# Altium PCB IDC_MCX_Adapter_flex.PCBDOC (part 1 of 4)
Units mm, origin at the board's own origin, x right, y up, seen from the top; angles counter-clockwise.
Board outline 170.6 x 106.1 mm, 4 copper layers (L1, L2, L3, L4), stack 1.598 mm thick; 298 components, 203 nets, 907 pads, 346 vias.
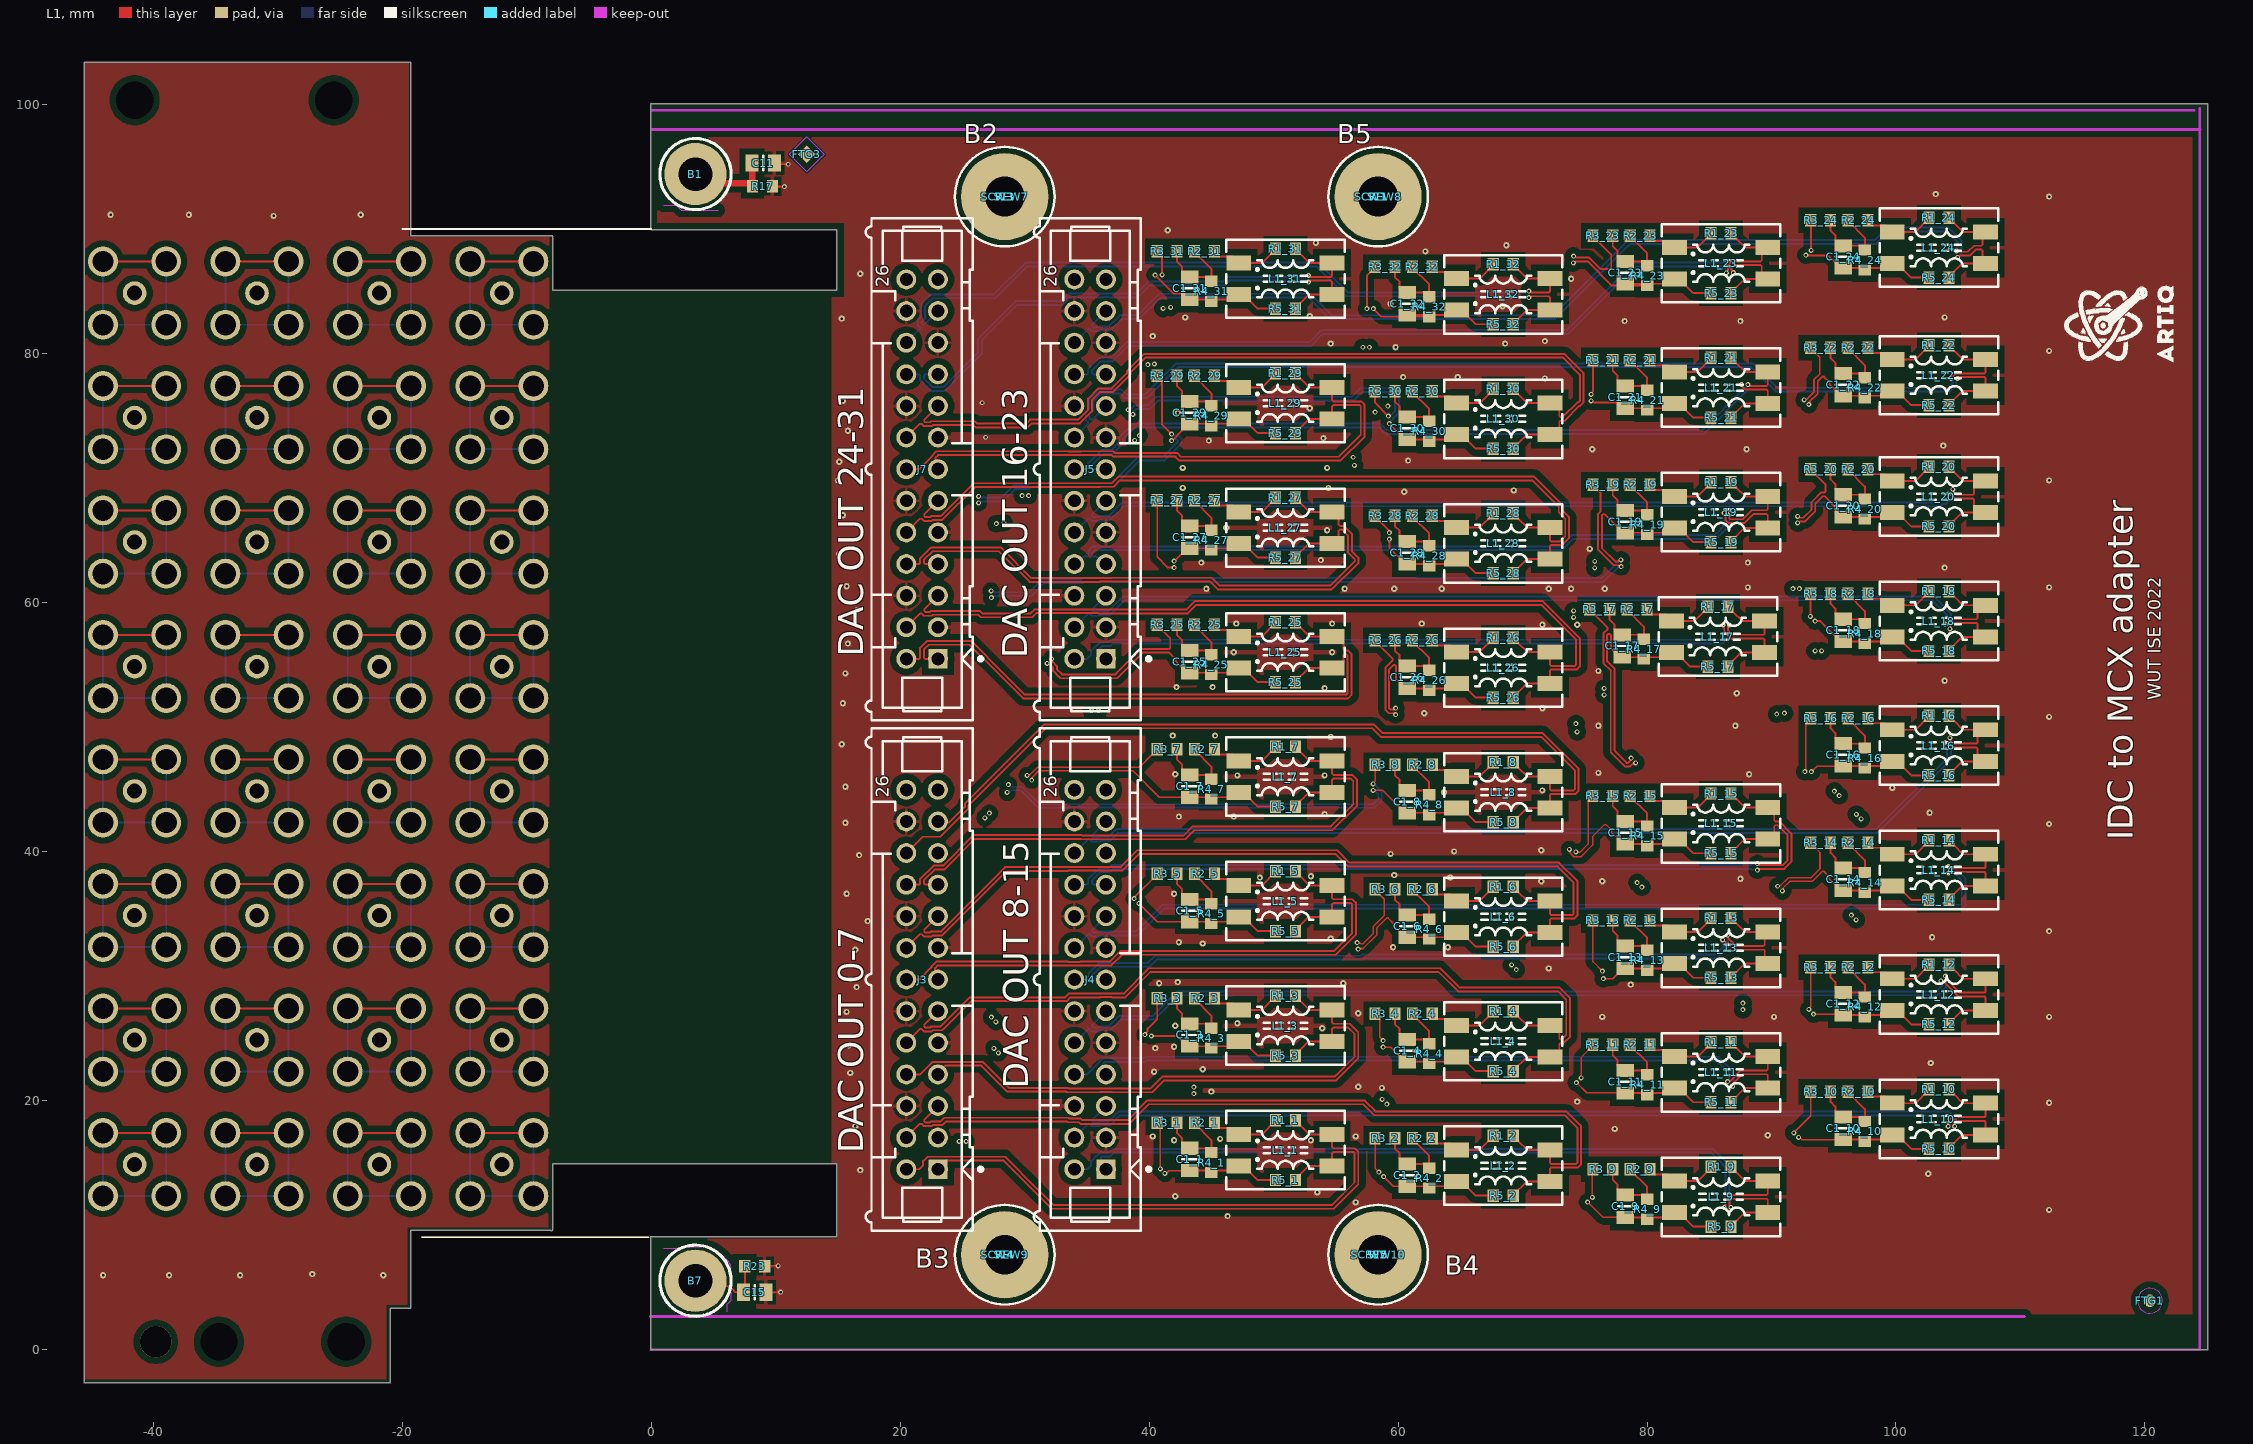
[diagram p0: L1 view]
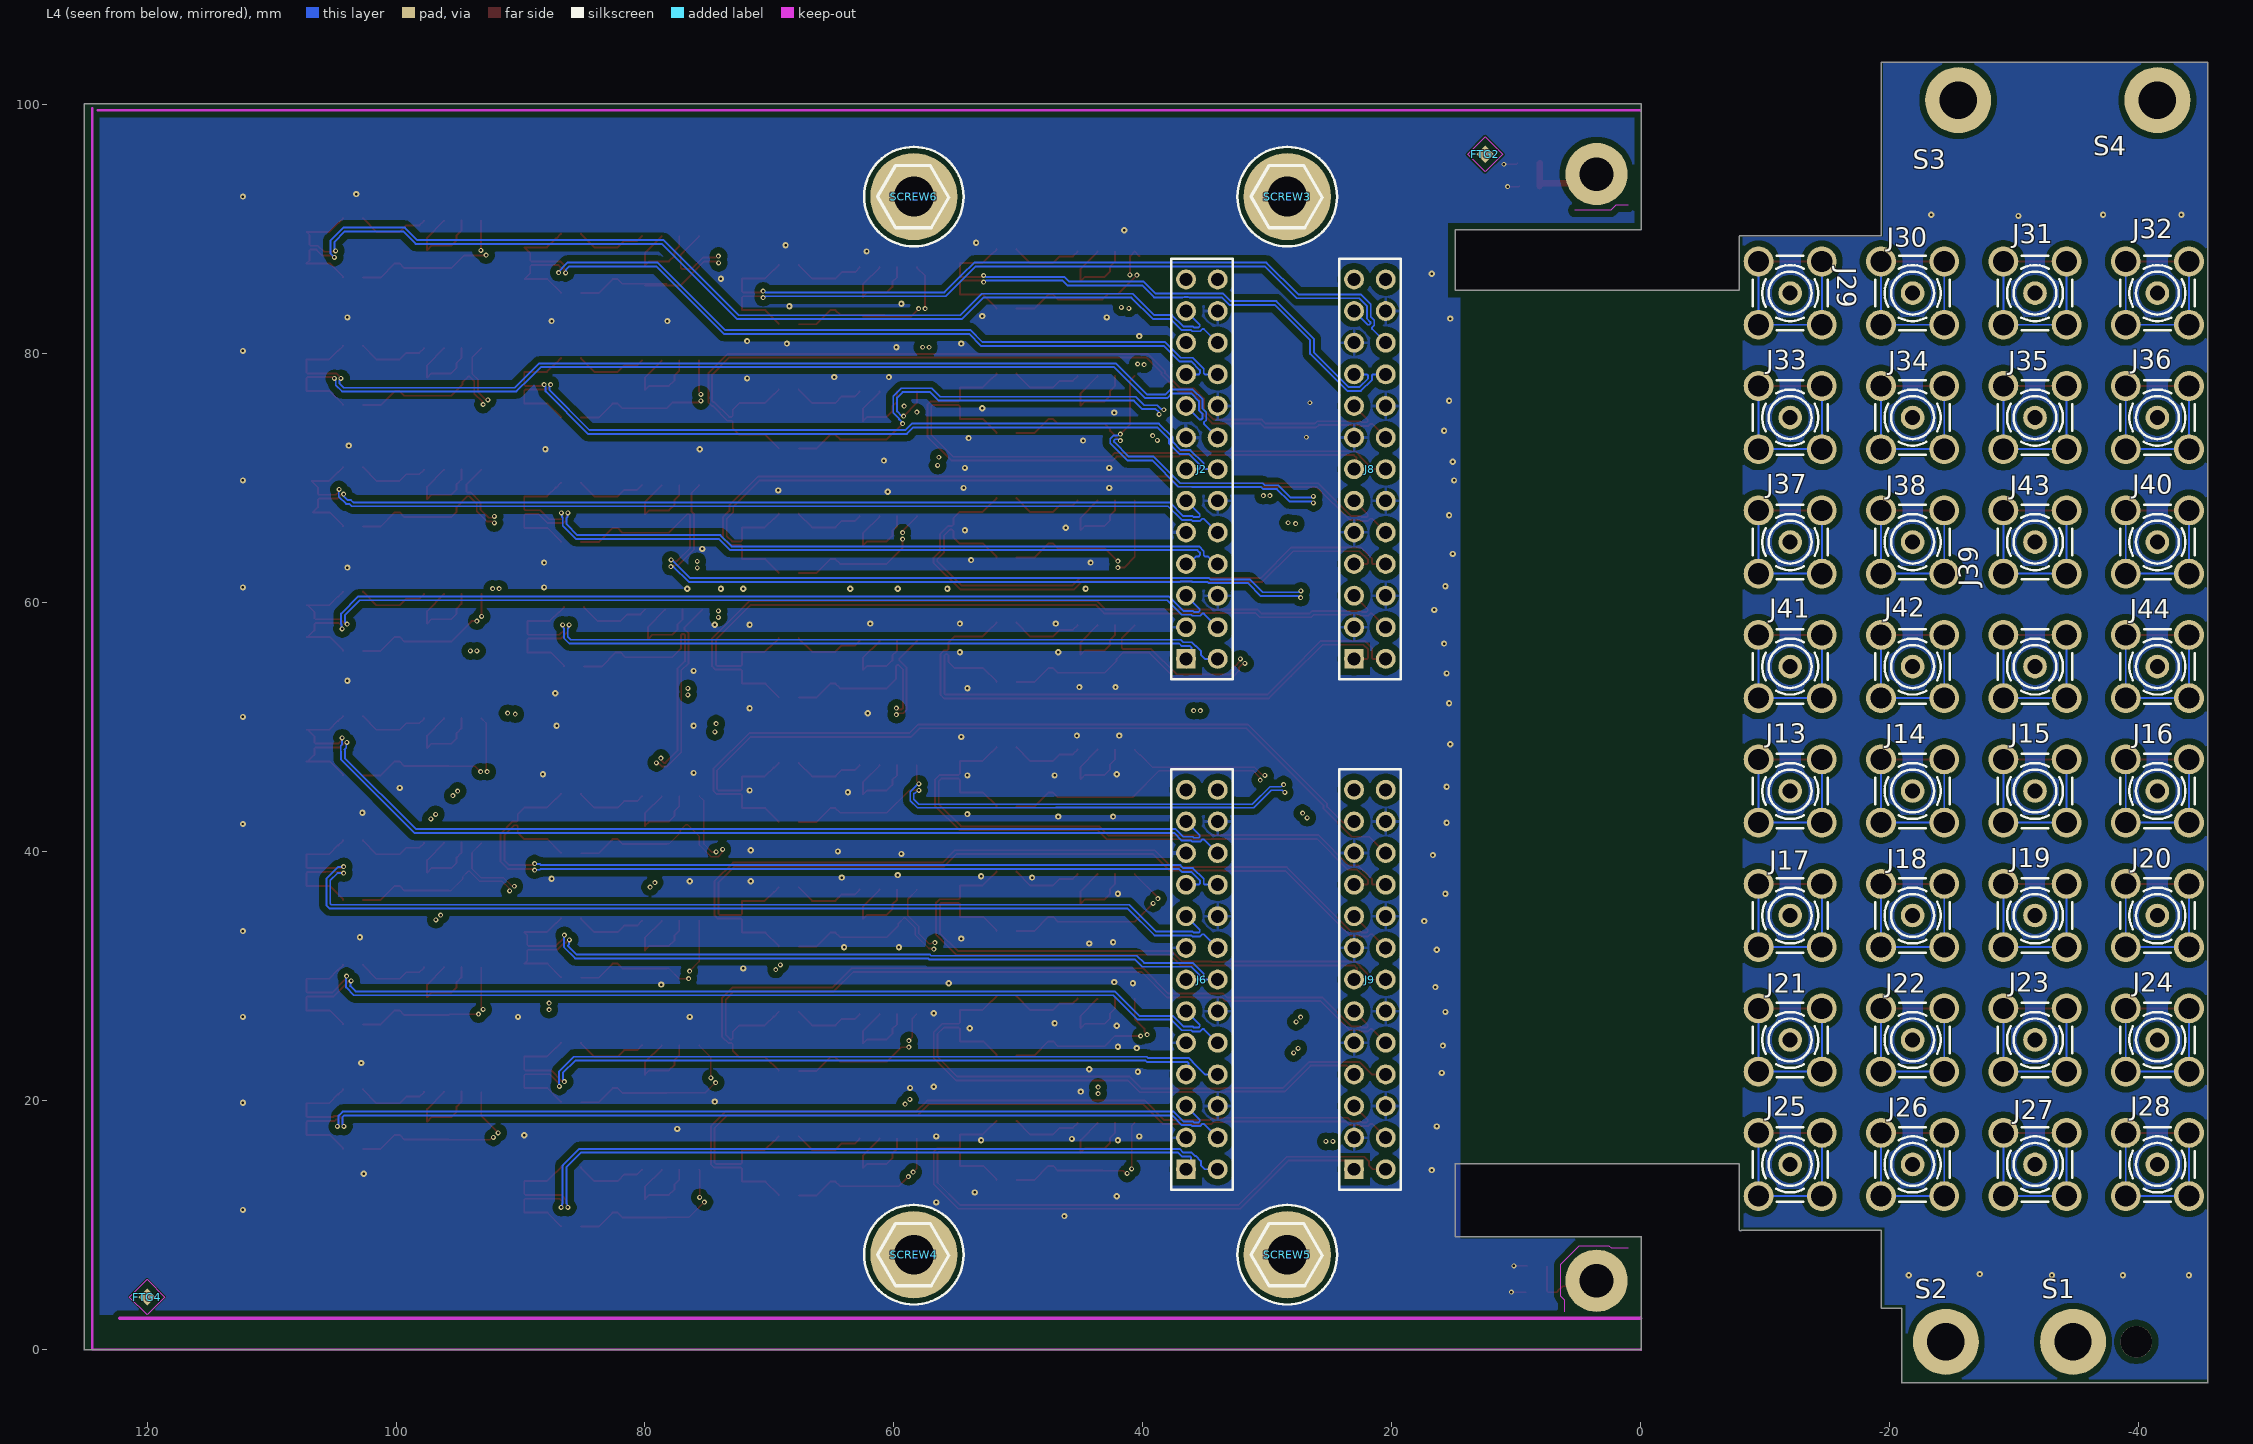
[diagram p1: L4 view, seen from below]
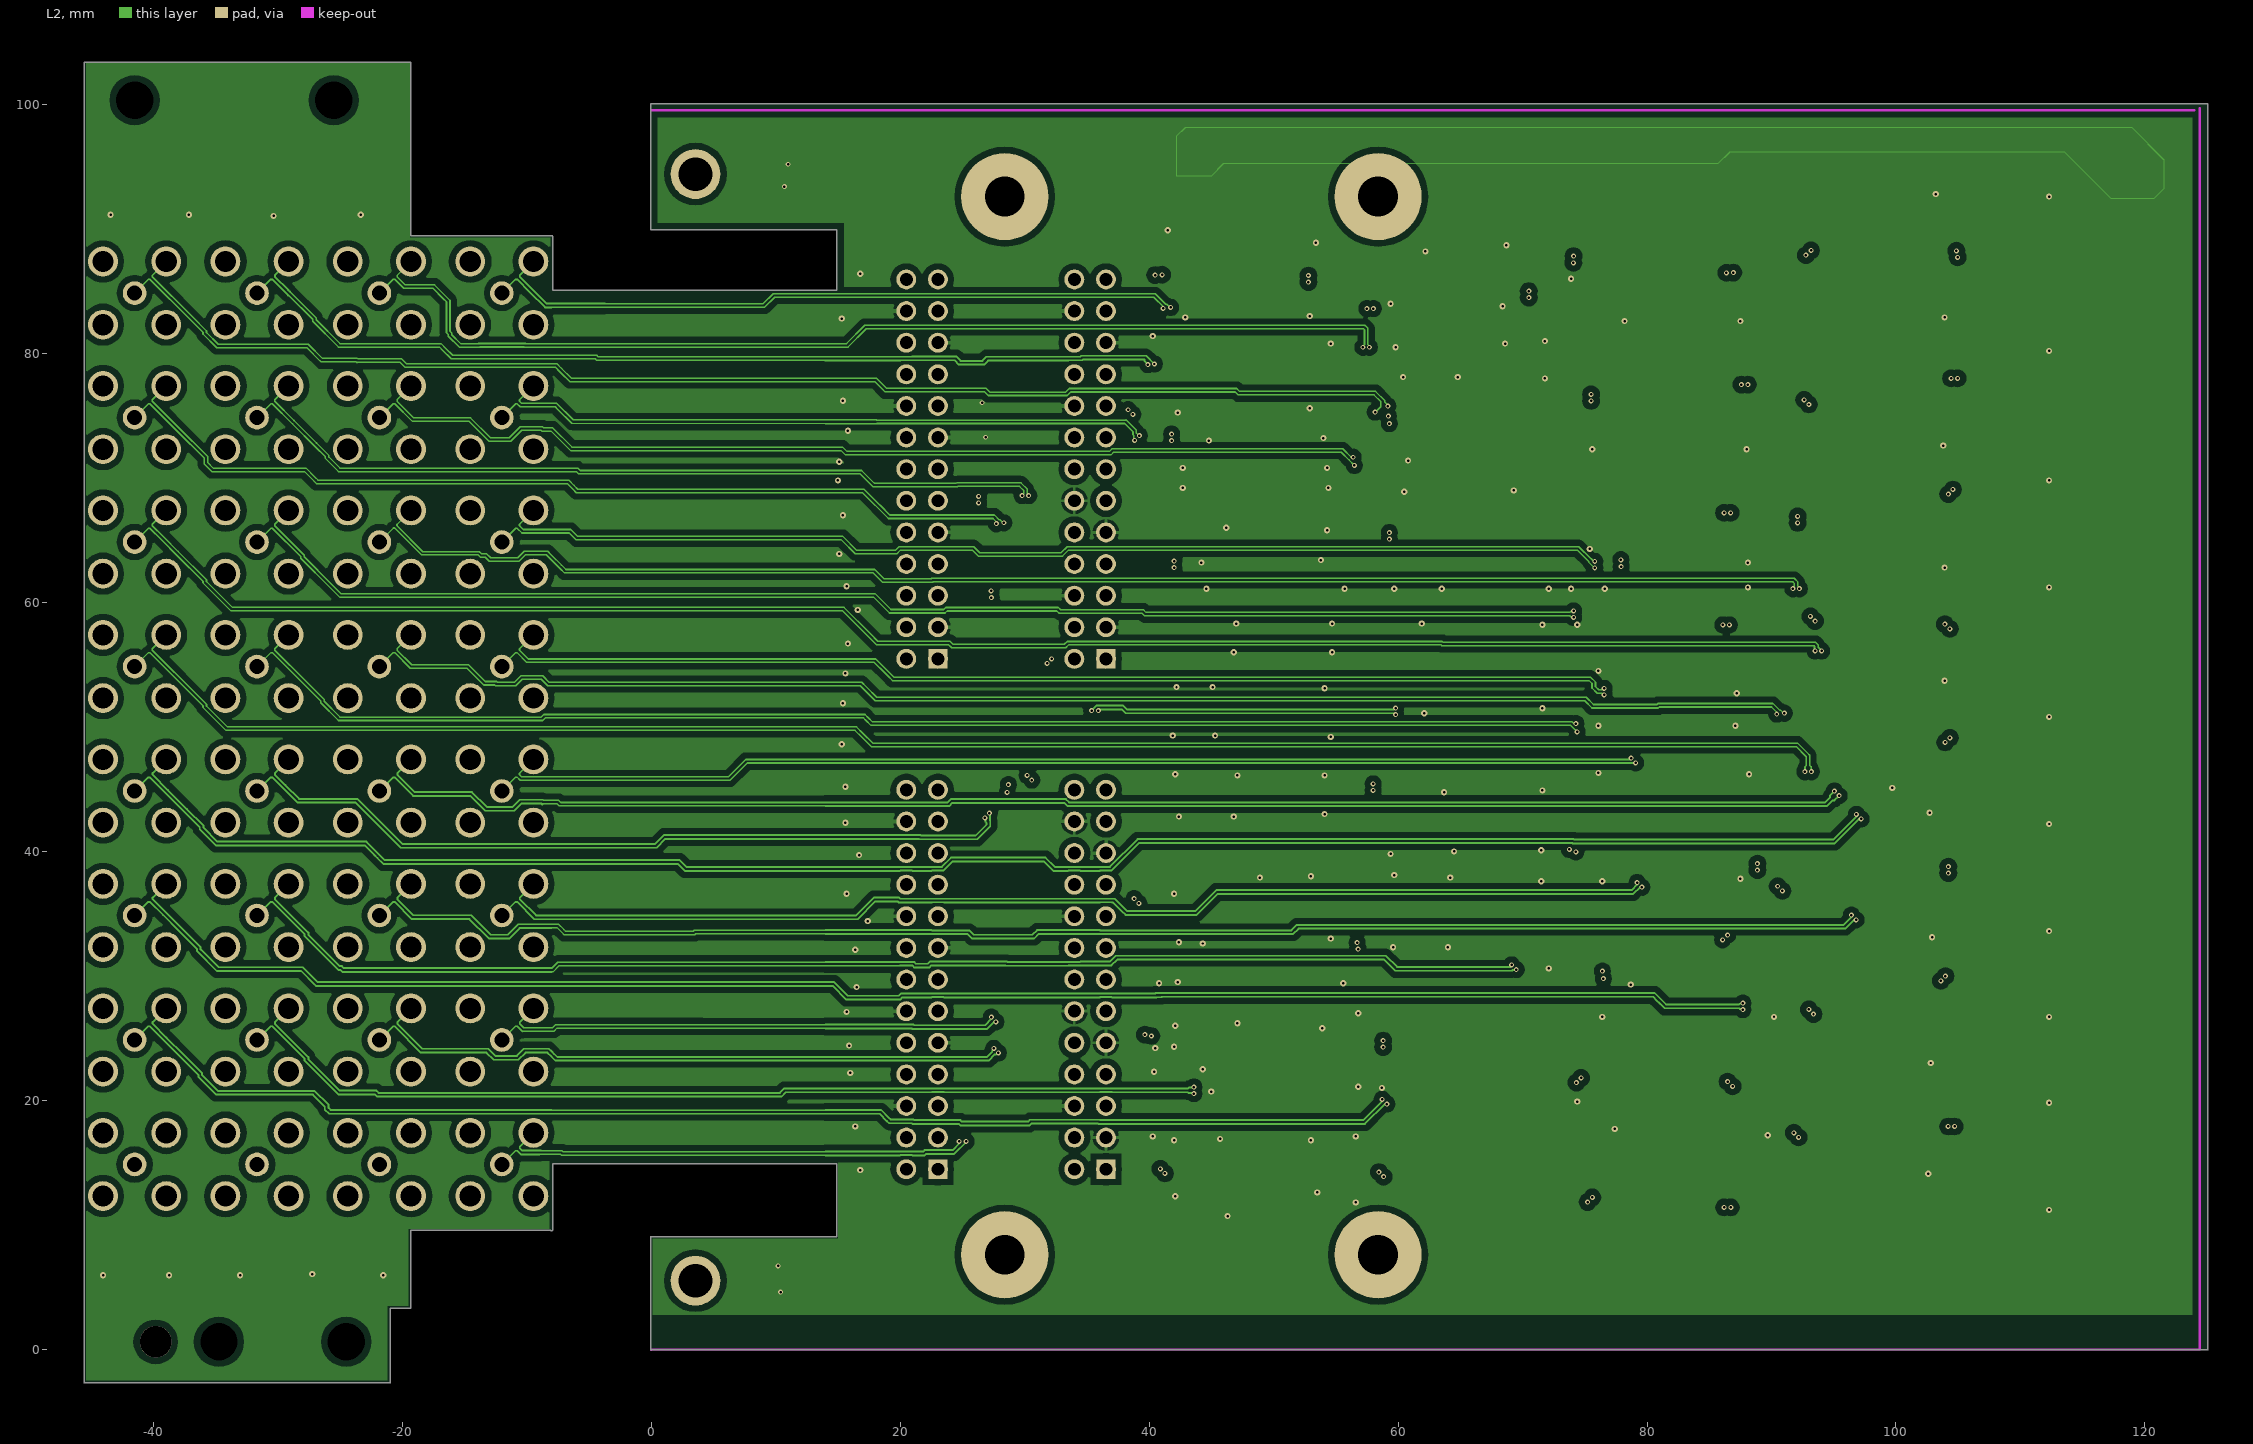
[diagram p2: L2]
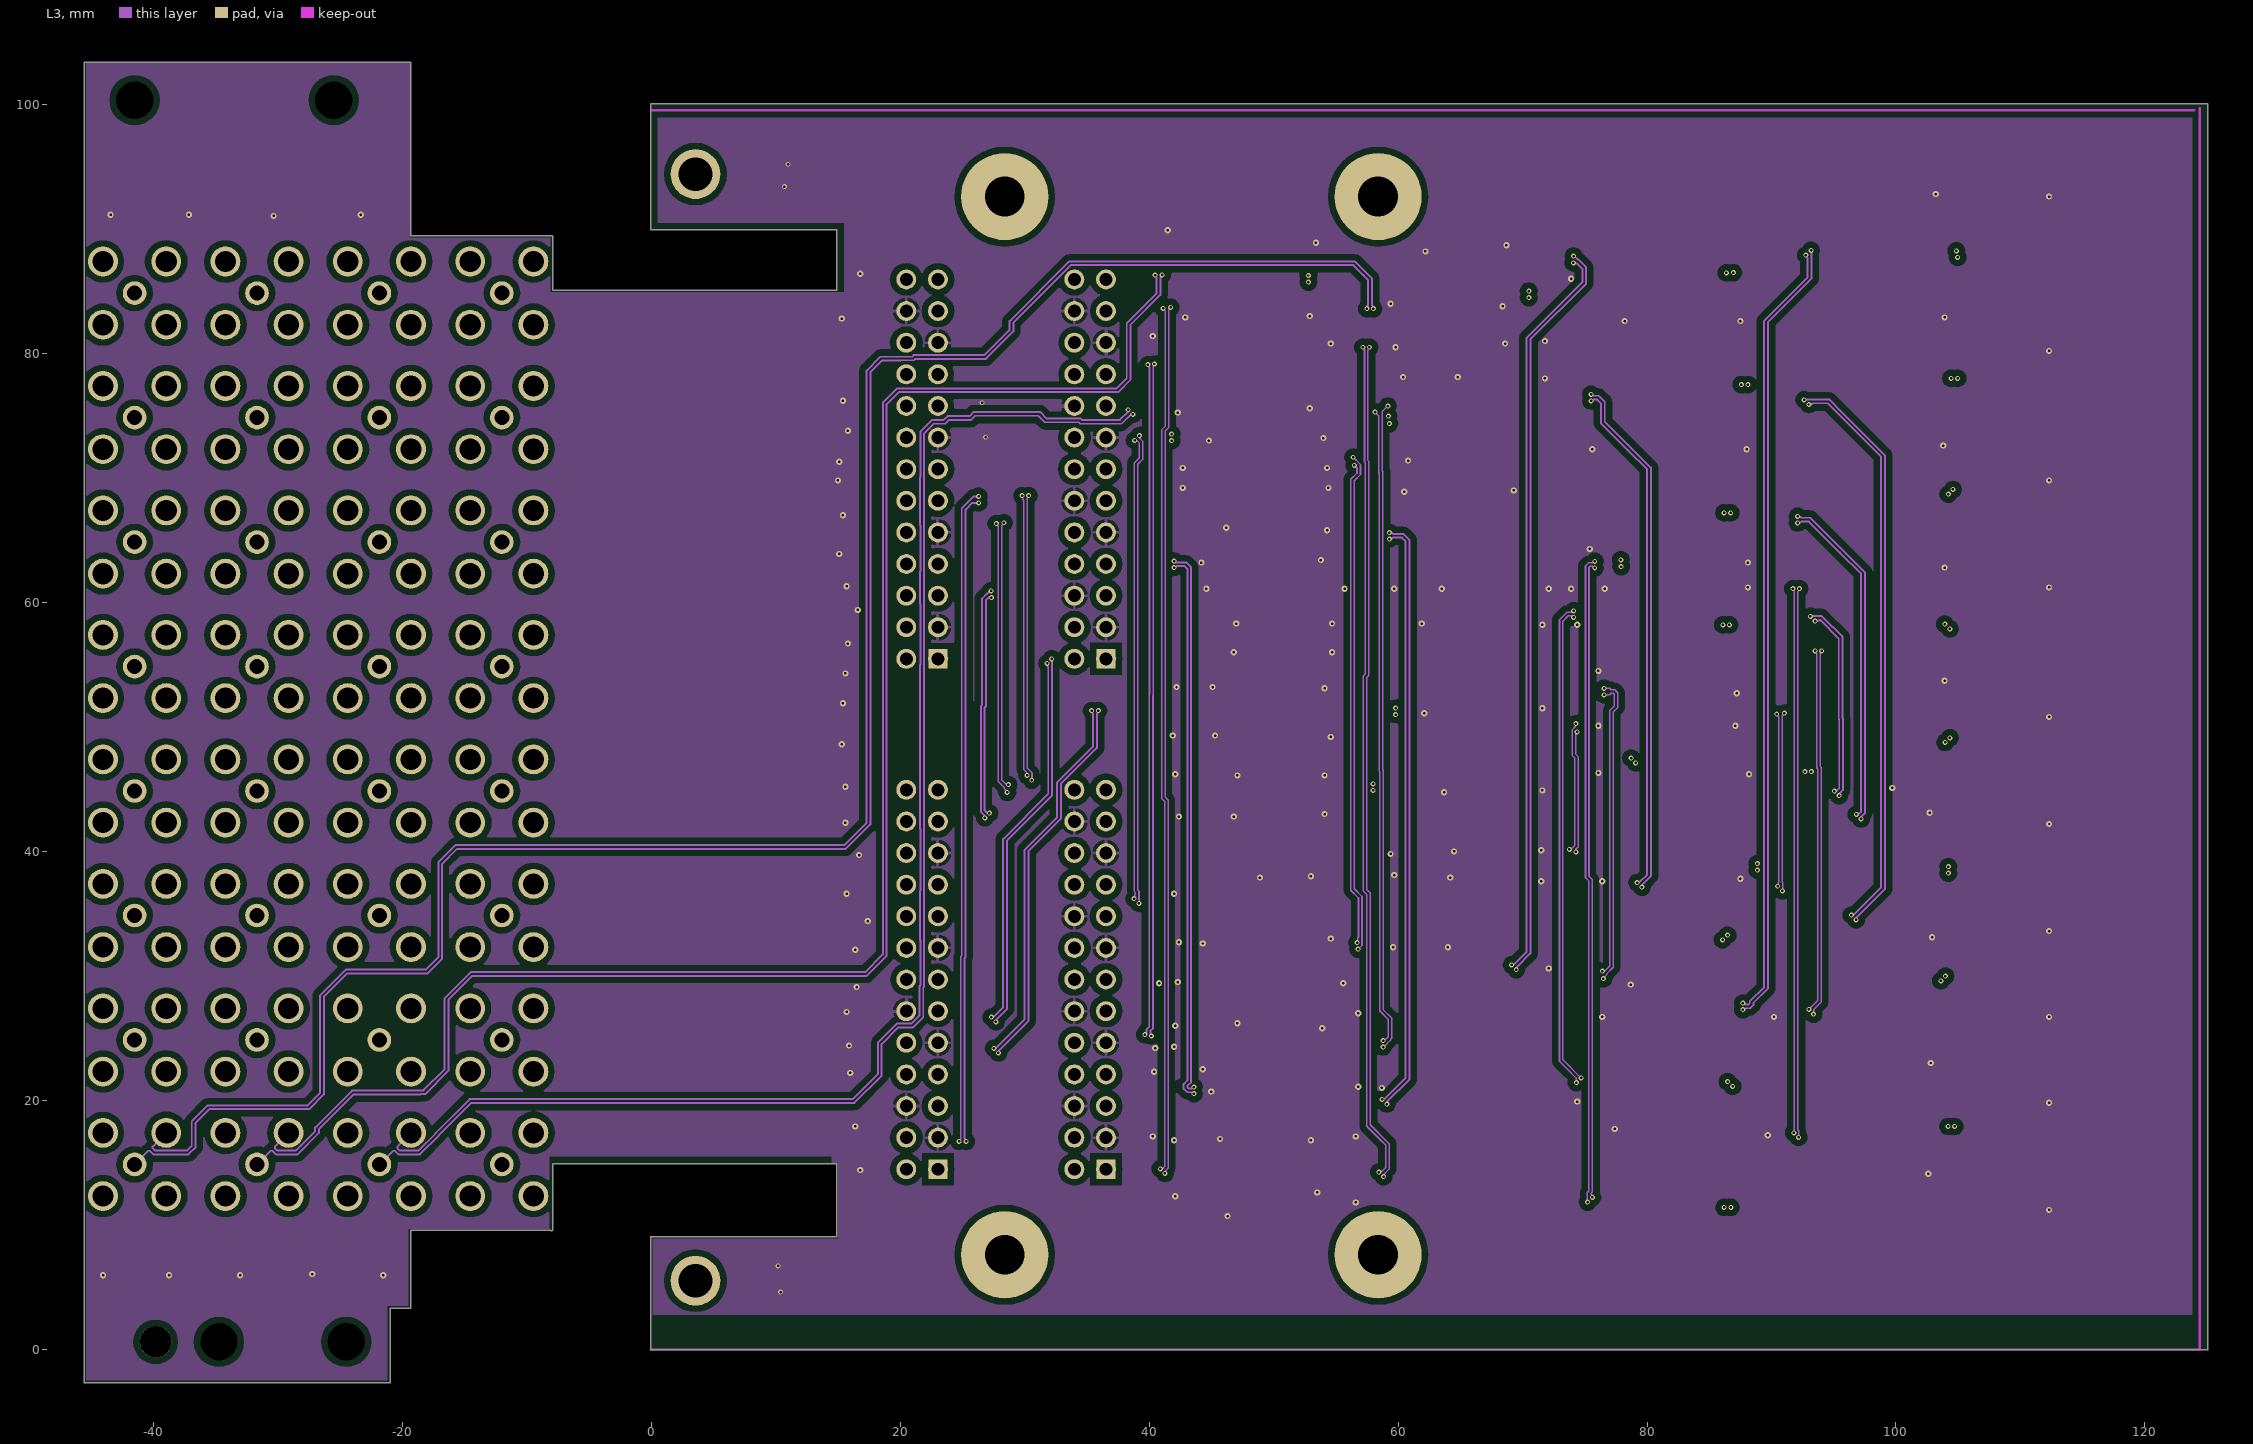
[diagram p3: L3]
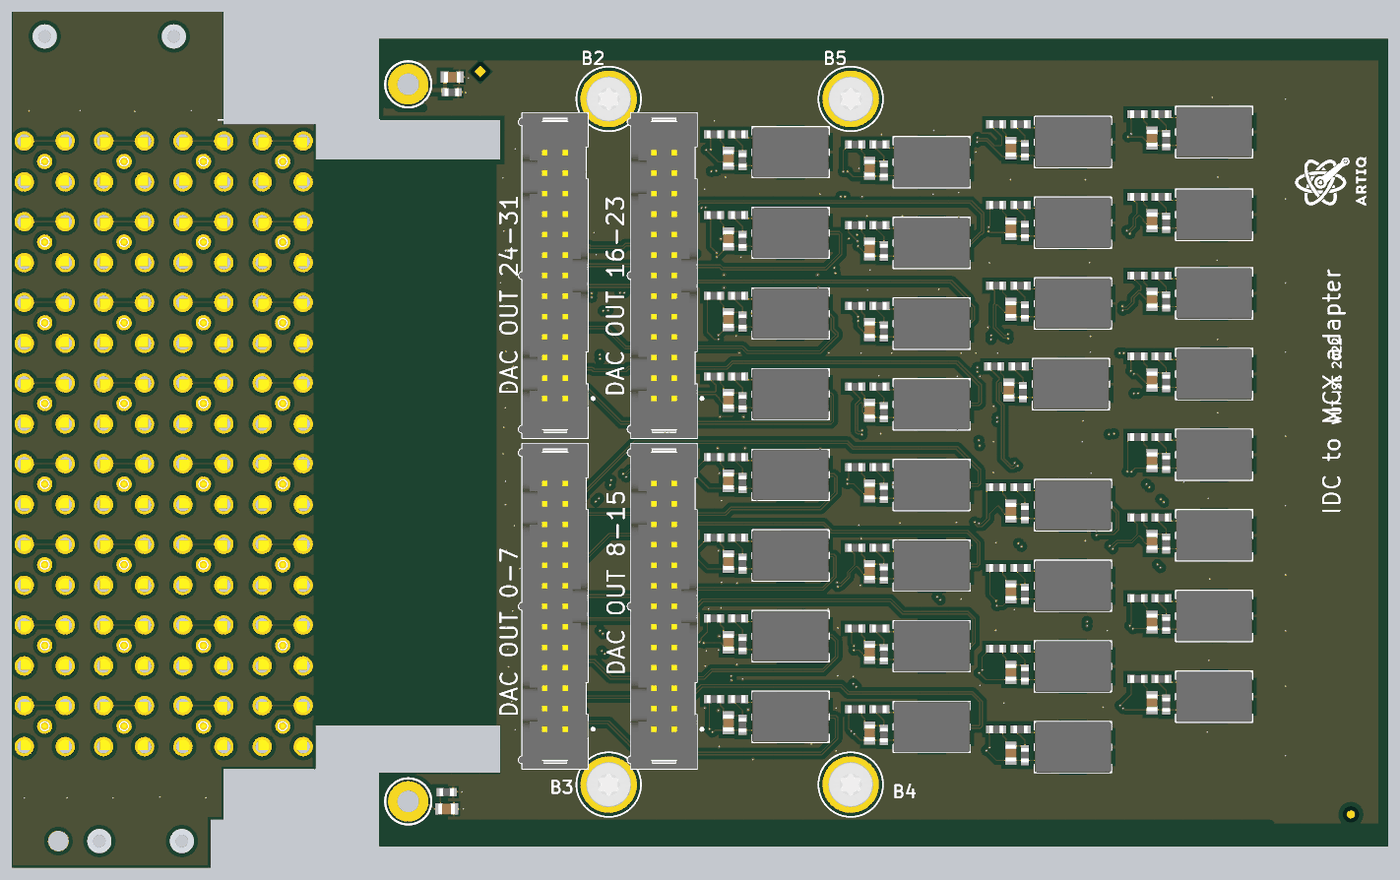
[diagram p7: 3D render of the assembled board from above, using the file's embedded part models]
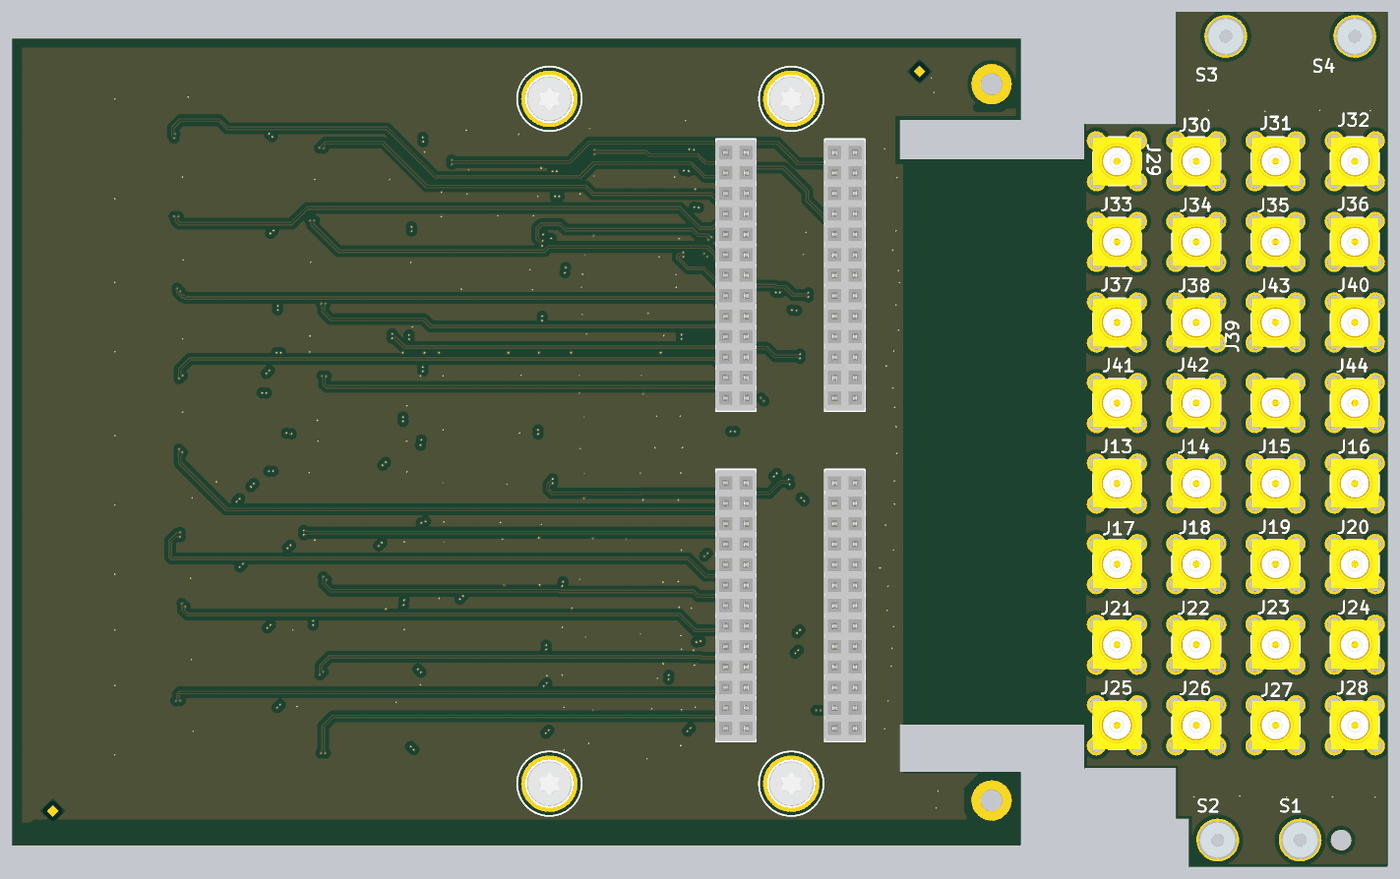
[diagram p8: 3D render of the assembled board from below, using the file's embedded part models]

## Layer stack, top to bottom
BottomSolder: solder mask 0.01, Solder Resist, Dk 3.5
L1: signal copper 0.056
Dielectric1: prepreg 0.7, FR-4, Dk 4.8
L2: signal copper 0.018
Dielectric 3: prepreg 0.05, Polymide, Dk 4.8
L3: signal copper 0.018
Dielectric5: prepreg 0.7, FR-4, Dk 4.8
L4: signal copper 0.056
TopSolder: solder mask 0.01, Solder Resist, Dk 3.5

## Board outline
-45.5,-2.7 cw(c-45.5,-2.65) -45.55,-2.65 -45.55,103.35 cw(c-45.5,103.35) -45.5,103.4 -19.375,103.4 cw(c-19.375,103.35) -19.325,103.35 -19.325,89.45 -8.056,89.45 cw(c-8,89.4) -7.925,89.4 -7.925,85.075 14.925,85.075 14.925,89.95 0,89.95 cw(c0,90) -0.05,90 -0.05,100 cw(c0,100) 0,100.05 125,100.05 cw(c125,100) 125.05,100 125.05,0 cw(c125,0) 125,-0.05 92.814,-0.05 cw(c92.809,0) 92.809,-0.051 75,-0.051 cw(c75,0) 74.996,-0.05 0,-0.05 cw(c0,0) -0.05,0 -0.05,9 cw(c0,9) 0,9.05 14.925,9.05 14.925,14.925 -7.925,14.925 -7.925,9.6 cw(c-8,9.6) -8.056,9.55 -19.325,9.55 -19.325,3.35 cw(c-19.375,3.35) -19.375,3.3 -20.95,3.3 -20.95,-2.65 cw(c-21,-2.65) -21,-2.7
board region "Layer Stack Region 1": -8,9.522 -8.04,9.532 -8.056,9.55 -19.325,9.55 -19.325,3.34 -19.332,3.321 -19.346,3.307 -19.375,3.3 -20.95,3.3 -20.95,-2.66 -20.957,-2.679 -20.971,-2.693 -21,-2.7 -45.51,-2.7 -45.529,-2.693 -45.543,-2.679 -45.55,-2.65 -45.55,103.36 -45.543,103.379 -45.529,103.393 -45.5,103.4 -19.365,103.4 -19.346,103.393 -19.332,103.379 -19.325,103.35 -19.325,89.45 -8.056,89.45 -8.04,89.468 -8,89.478
board region "Layer Stack Region 1": 14,85.075 14.925,85.075 14.925,89.95 -0.01,89.95 -0.029,89.957 -0.043,89.971 -0.05,90 -0.05,100.01 -0.043,100.028 -0.029,100.043 0,100.05 125.01,100.05 125.029,100.043 125.043,100.028 125.05,100 125.05,-0.01 125.043,-0.029 125.029,-0.043 125,-0.05 92.809,-0.051 74.996,-0.05 -0.01,-0.05 -0.029,-0.043 -0.043,-0.029 -0.05,0 -0.05,9.01 -0.043,9.029 -0.029,9.043 0,9.05 14.925,9.05 14.925,14.925 13.999,14.925
board region "Layer Stack Region 1": 13.999,14.925 -7.925,14.925 -7.925,9.6 -7.925,9.577 -7.951,9.538 -7.995,9.521 -8,9.522 -8,89.478 -7.995,89.479 -7.951,89.462 -7.925,89.423 -7.925,89.4 -7.925,85.075 14,85.075
